# Altium PCB CCZynq.PcbDoc (part 4 of 5)
Units mil, origin at the board's own origin, x right, y up, seen from the top; angles counter-clockwise.
Board outline 3895 x 3895 mil, 4 copper layers (Top Layer, GND, PWR, Bottom Layer), stack 23.756 mil thick; 247 components, 195 nets, 1181 pads, 779 vias.
Unrouted connection lines stored in the file: 8.
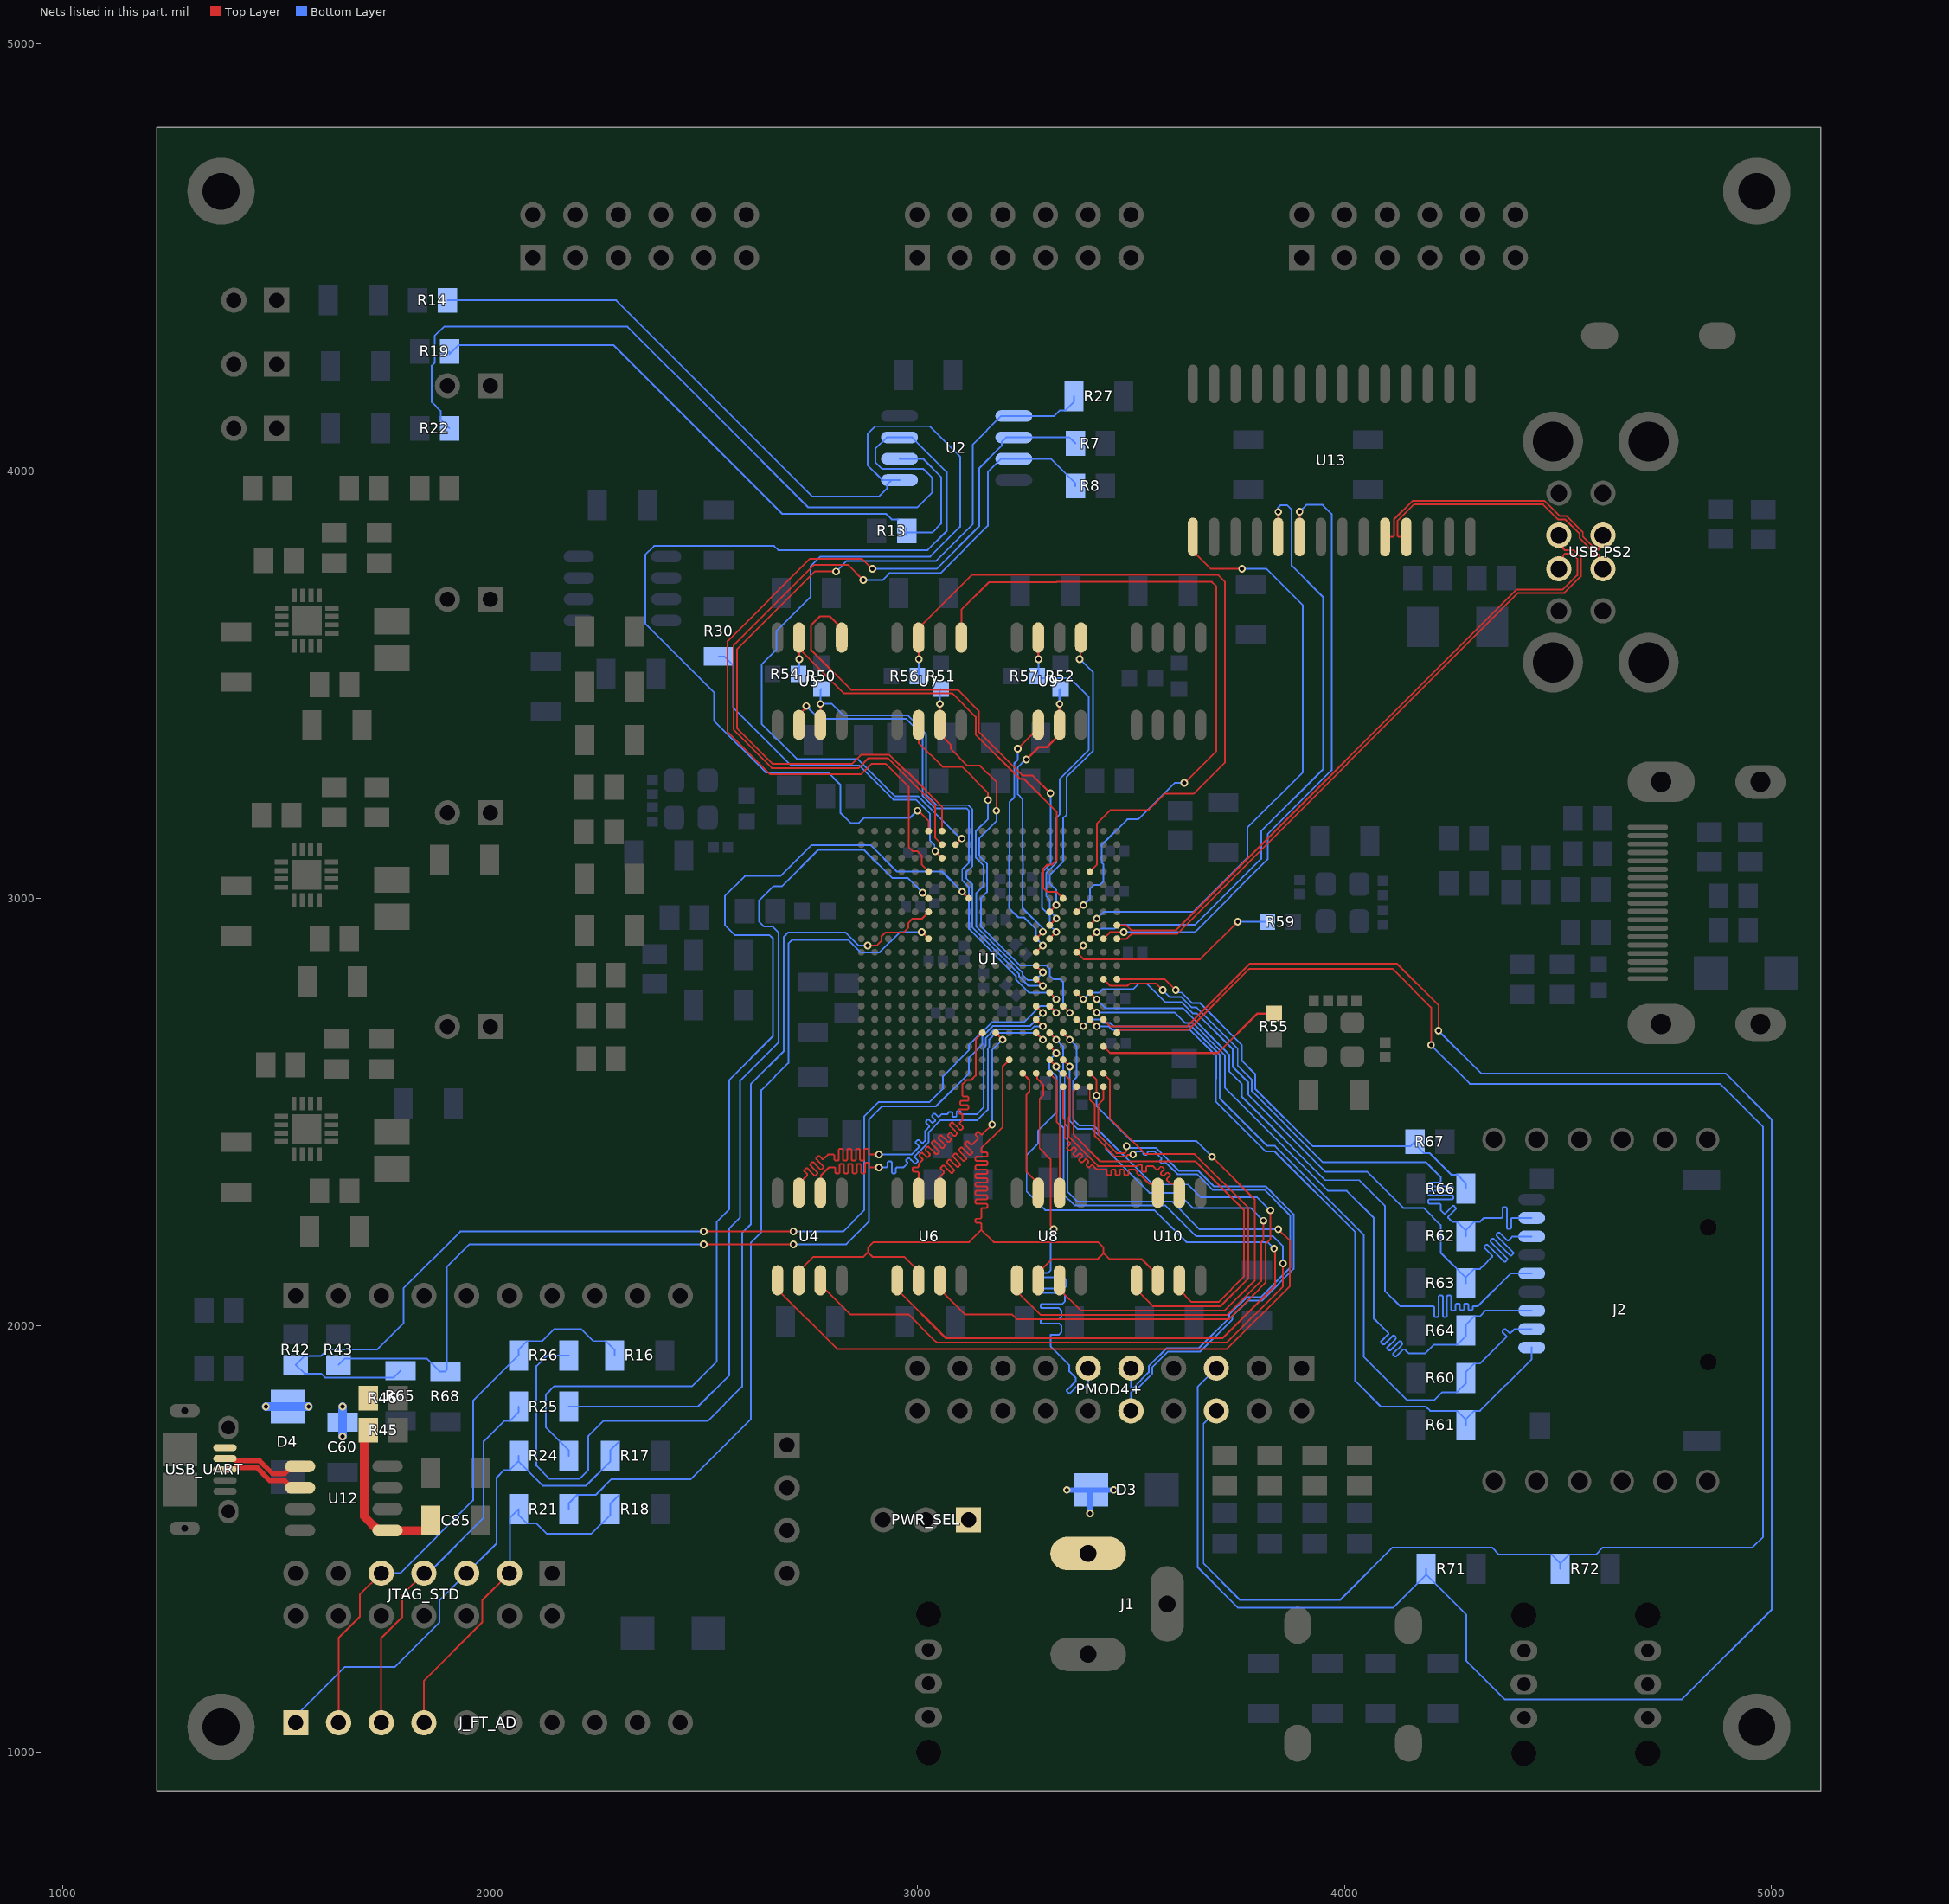
[diagram p6: the nets of this part, all layers, seen from the top]

## Via types
v1: diameter 17.72, hole 10, Top Layer to Bottom Layer, tented both sides, 747 vias
v2: diameter 23.62, hole 15.75, Top Layer to Bottom Layer, tented both sides, 32 vias

## Nets (pads, with @x,y where several pads share a name; then routed paths per layer and width w, separated by ;. In a path a pad name is that pad's centre, name@x,y a point inside that pad or via, vN(x,y) a via of type N, cw(c..) or ccw(c..) an arc to the next point about the centre after c; other vN are vias at no path point) (continued)
Q3_P: PMOD4+.11 U1.W14 | length 1357.8
  Top Layer w4: U1.W14@3278.24,2590.28 3280.53,2587.99 3280.53,2577.71 3294.73,2563.52 3294.73,2538.89 3286.24,2530.4 3286.24,2414.59 3311.78,2389.04 3311.78,2234.2 3319.15,2226.84 v1(3319.15,2225)
  Bottom Layer w4: v1(3319.15,2225) 3319.15,2223.16 3311.78,2215.8 3311.78,2128.48 3305.84,2122.54 3276.22,2122.54 3274.97,2121.28 3274.97,2113.79 3276.22,2112.54 3342.66,2112.54 3348.6,2106.59 3348.6,2092.48 3342.66,2086.54 3276.22,2086.54 3274.97,2085.28 3274.97,2077.79 3276.22,2076.54 3339.83,2076.54 3345.77,2070.59 3345.77,2056.48 3339.83,2050.54 3290.41,2050.54 3289.15,2049.28 3289.15,2041.79 3290.41,2040.54 3331.68,2040.54 3337.62,2034.59 3337.62,2020.48 3331.68,2014.54 3290.41,2014.54 3289.15,2013.28 3289.15,2005.79 3290.41,2004.54 3331.68,2004.54 3337.62,1998.59 3337.62,1984.48 3331.68,1978.54 3313.04,1978.54 3311.78,1977.28 3311.78,1951.19 3355.89,1907.09 3355.89,1892.45 3370.81,1877.53 3370.81,1869.13 3349.86,1848.19 3349.86,1846.41 3355.16,1841.12 3356.94,1841.12 3377.88,1862.06 3386.28,1862.06 3394.34,1854 3397.66,1854 3400,1856.34 PMOD4+.11@3400,1900
Q4_N: PMOD4+.10 U1.Y19 | length 1357.5
  Top Layer w4: U1.Y19@3435.72,2558.79 3435.72,2529.18 3423.5,2516.96 3423.5,2446.45 3466.13,2403.82 3485.82,2403.82 3489.66,2407.65 3489.66,2419.33 v1(3489.87,2419.55)
  Bottom Layer w4: v1(3489.87,2419.55) 3493.58,2419.55 3494.04,2420 3498.17,2415.86 3558.38,2415.86 3612.34,2361.9 3658.02,2361.9 3694.48,2325.44 3815.87,2325.44 3854.65,2286.66 3881.03,2260.28 3881.03,2132.48 3806.68,2058.13 3774.21,2058.13 3737.79,2021.72 3737.79,2014.05 3662.44,1938.69 3587.03,1938.69 3549.86,1901.52 3549.86,1886.89 3508.97,1846 3502.34,1846 3500,1843.66 PMOD4+.10@3500,1800
Q4_P: PMOD4+.9 U1.Y18 | length 1356.8
  Top Layer w4: U1.Y18@3404.22,2558.79 3403.68,2558.25 3403.68,2528.64 3415.5,2516.82 3415.5,2443.13 3462.81,2395.82 3489.14,2395.82 3492.65,2399.33 3504.33,2399.33 v1(3505,2400)
  Bottom Layer w4: PMOD4+.9@3500,1900 3500,1856.34 3502.34,1854 3505.66,1854 3541.86,1890.2 3541.86,1904.84 3583.72,1946.69 3659.13,1946.69 3729.79,2017.36 3729.79,2025.03 3770.9,2066.13 3803.37,2066.13 3873.03,2135.79 3873.03,2256.97 3812.56,2317.44 3691.17,2317.44 3654.71,2353.9 3609.03,2353.9 3593.97,2368.97 3581.23,2381.7 3578.4,2381.7 3575.54,2378.84 3572.71,2378.84 3568.47,2383.08 3568.47,2385.91 3571.33,2388.77 3571.33,2391.6 3565.68,2397.26 3558.61,2404.33 3555.07,2407.86 3549.2,2407.86 3541.2,2407.86 3539.2,2405.86 3539.2,2401.81 3537.2,2399.81 3531.2,2399.81 3529.2,2401.81 3529.2,2405.86 3527.2,2407.86 3519.2,2407.86 3514.2,2407.86 3506.34,2400 v1(3505,2400)
REG5V: D3.2 J1.1 PWR_SEL.1 | length 166.3
  Bottom Layer w12: v1(3350,1615) D3.2@3407.32,1615 ; v1(3404.22,1560) 3404.22,1611.9 D3.2@3407.32,1615 ; v1(3460,1615) D3.2@3407.32,1615
RST.0: R30.2 U1.C7 | length 820.8
  Top Layer w4: v1(3042.02,3109.97) U1.C7@3057.76,3094.22
  Bottom Layer w4: R30.2@2535,3566.34 2548.19,3566.34 2568.43,3546.09 2568.43,3446.57 2704.16,3310.84 2864.16,3310.84 2943.94,3231.06 2996.38,3231.06 3030,3197.43 3030,3135 3040.17,3124.83 3040.17,3111.81 v1(3042.02,3109.97)
SCK_B1: U1.V12 U4.6 U6.6 U8.6 U10.6 | length 2100.4
  Top Layer w4: U4.6@2723,2105.64 2723,2127.29 2755.71,2160 2873.16,2160 2884.54,2171.37 ; U6.6@3003,2105.64 3003,2127.29 2970.29,2160 2895.91,2160 2884.54,2171.37 ; U1.V12@3215.24,2621.2 U1.V12@3215.24,2621.78 3200,2606.54 3200,2465 3150,2415 3150,2405 3162,2405 3164,2403 3164,2397 3162,2395 3150,2395 3138,2395 3136,2393 3136,2387 3138,2385 3150,2385 3162,2385 3164,2383 3164,2377 3162,2375 3150,2375 3138,2375 3136,2373 3136,2367 3138,2365 3150,2365 3162,2365 3164,2363 3164,2357 3162,2355 3150,2355 3138,2355 3136,2353 3136,2347 3138,2345 3150,2345 3162,2345 3164,2343 3164,2337 3162,2335 3150,2335 3138,2335 3136,2333 3136,2327 3138,2325 3150,2325 3162,2325 3164,2323 3164,2317 3162,2315 3150,2315 3138,2315 3136,2313 3136,2307 3138,2305 3150,2305 3162,2305 3164,2303 3164,2297 3162,2295 3150,2295 3138,2295 3136,2293 3136,2287 3138,2285 3150,2285 3162,2285 3164,2283 3164,2277 3162,2275 3152,2275 3150,2273 3150,2265 3150,2260 3150,2252 3148,2250 3138,2250 3136,2248 3136,2242 3138,2240 3148,2240 3150,2238 3150,2235 3150,2223.58 ; U8.6@3283,2105.64 3283,2123 3315,2155 3421.43,2155 3435.72,2169.28 ; U10.6@3563,2105.64 3563,2117.71 3525.71,2155 3450,2155 3435.72,2169.28 ; 2884.54,2171.37 2884.54,2182.03 2897.51,2195 3121.42,2195 3150,2223.58 ; 3150,2223.58 3178.58,2195 3422.97,2195 3435.72,2182.25 3435.72,2169.28
SD_CMD: J2.3 R64.1 U1.P18 | length 1788.1
  Top Layer w4: U1.P18@3404.22,2747.76 3404.34,2747.76 3419.85,2732.25 v1(3419.97,2732.25)
  Bottom Layer w4: v1(3419.97,2732.25) 3420.08,2732.13 3603.15,2732.13 3609.65,2725.62 3626.87,2708.4 3644.44,2708.4 3701.42,2651.42 3720,2632.85 3720,2556.35 3961.35,2315 4005.32,2315 4068.44,2251.88 4068.44,2016.56 4082.5,2002.5 4102.62,1982.38 4102.62,1979.55 4085.69,1962.61 4085.69,1959.79 4089.93,1955.54 4092.76,1955.54 4111.11,1973.89 4113.54,1976.32 4116.36,1976.32 4120.61,1972.07 4120.61,1969.25 4118.18,1966.82 4099.83,1948.47 4099.83,1945.64 4104.08,1941.4 4106.9,1941.4 4125.25,1959.75 4128.57,1963.07 4131.4,1963.07 4135.64,1958.82 4135.64,1955.99 4132.32,1952.68 4113.97,1934.33 4113.97,1931.5 4118.22,1927.26 4121.05,1927.26 4137.98,1944.19 4140.81,1944.19 4146.46,1938.54 4150,1935 4154.71,1935 4164.71,1935 4169.71,1935 4189.42,1935 4209,1954.58 4263.42,1954.58 4283.66,1974.83 R64.1@4283.66,1988.02 4283.66,2001.21 4303.91,2021.45 4317.1,2021.45 4330.65,2035 J2.3@4438.31,2035
SD_DAT0: J2.7 R63.1 U1.N17 | length 1788.1
  Top Layer w4: U1.N17@3372.72,2779.26 v1(3388.47,2763.51)
  Bottom Layer w4: v1(3388.47,2763.51) 3404.34,2779.38 3426.54,2779.38 3434.4,2787.24 3505.69,2787.24 3518.55,2800.1 3536.99,2800.1 3580.15,2756.94 3618.53,2756.94 3624.47,2751 ; 3624.48,2751 3644.55,2730.92 3654.08,2730.92 3738.54,2646.46 3738.54,2604.93 3775,2568.47 3775,2540 3955,2360 4052.49,2360 4137.49,2275 4185,2275 4225,2235 4225,2170.53 R63.1@4283.66,2111.87 ; R63.1@4283.66,2098.68 R63.1@4283.66,2111.87 ; J2.7@4438.31,2208.23 4393.21,2208.23 4389.68,2204.69 4384.02,2199.04 4381.19,2199.04 4362.95,2217.28 4360.12,2217.28 4355.88,2213.04 4355.88,2210.21 4375.53,2190.55 4395.19,2170.89 4395.19,2168.07 4390.95,2163.82 4388.12,2163.82 4368.46,2183.48 4348.81,2203.14 4345.98,2203.14 4341.74,2198.89 4341.74,2196.06 4361.39,2176.41 4381.05,2156.75 4381.05,2153.92 4376.81,2149.68 4373.98,2149.68 4354.32,2169.34 4334.66,2188.99 4331.84,2188.99 4327.59,2184.75 4327.59,2181.92 4345.84,2163.68 4345.84,2160.85 4325,2140.01 4317.1,2132.11 4303.91,2132.11 R63.1@4283.66,2111.87
SD_DAT1: J2.8 R62.1 U1.M19 | length 1788.1
  Top Layer w4: U1.M19@3435.72,2810.76 3451.22,2795.25 3492.18,2795.25 3497.03,2800.1 3559.43,2800.1 v1(3574.53,2785)
  Bottom Layer w4: v1(3574.53,2785) 3590.39,2769.14 3617.65,2769.14 3641.79,2745 3652.64,2745 3750,2647.64 3750,2608.2 3783,2575.2 3783,2548.27 3948.77,2382.5 4190,2382.5 4218.75,2353.75 4221.46,2351.04 4225,2347.5 4225,2345 4225,2337 4223,2335 4197.59,2335 4195.59,2333 4195.59,2327 4197.59,2325 4225,2325 4252.41,2325 4254.41,2323 4254.41,2317 4252.41,2315 4225,2315 4197.59,2315 4195.59,2313 4195.59,2307 4197.59,2305 4225,2305 4252.41,2305 4254.41,2303 4254.41,2297 4252.41,2295 4225,2295 4197.59,2295 4195.59,2293 4195.59,2287 4197.59,2285 4223,2285 4225,2283 4225,2275 4225,2270 4227.48,2267.52 4233.14,2261.86 4235.96,2261.86 4253.68,2279.58 4256.51,2279.58 4260.75,2275.33 4260.75,2272.51 4243.04,2254.79 4243.04,2251.96 4248.69,2246.31 4252.23,2242.77 4263.42,2242.77 R62.1@4283.66,2222.53 ; R62.1@4283.66,2209.34 R62.1@4283.66,2222.53 ; J2.8@4438.31,2251.54 4395,2251.54 4392,2251.54 4390,2249.54 4390,2228.05 4388,2226.05 4382,2226.05 4380,2228.05 4380,2251.54 4380,2275.02 4378,2277.02 4372,2277.02 4370,2275.02 4370,2253.54 4368,2251.54 4325.86,2251.54 4317.1,2242.77 4303.91,2242.77 R62.1@4283.66,2222.53
SD_DAT2: J2.1 R61.1 U1.R18 | length 1788.1
  Top Layer w4: U1.R18@3404.22,2716.27 v1(3419.97,2700.52)
  Bottom Layer w4: v1(3419.97,2700.52) 3420.61,2699.88 3448.39,2699.88 3455.86,2692.4 3637.82,2692.4 3700,2630.22 3699.12,2523.74 3815,2407.86 3835.58,2407.86 4025,2218.44 4025,1870 4085,1810 4190.62,1810 4200.49,1800.13 4263.42,1800.13 R61.1@4283.66,1779.88 ; R61.1@4283.66,1766.69 R61.1@4283.66,1779.88 ; J2.1@4438.31,1948.39 4438.31,1921.34 4317.1,1800.13 4303.91,1800.13 R61.1@4283.66,1779.88
SD_DAT3: J2.2 R60.1 U1.R17 | length 1788.1
  Top Layer w4: U1.R17@3372.72,2716.27 3372.84,2716.27 3388.36,2700.75 v1(3388.47,2700.75)
  Bottom Layer w4: v1(3388.47,2700.75) 3388.7,2700.75 3404.34,2716.38 3426.54,2716.38 3435.04,2707.88 3451.7,2707.88 3459.18,2700.4 3641.13,2700.4 3708,2633.54 3708,2531.6 3819.4,2420.2 3837.3,2420.2 4045,2212.5 4045,1927.09 4075.28,1896.8 ; 4075.81,1896.28 4075.28,1896.8 ; J2.2@4438.31,1991.69 4398,1991.69 4394.46,1988.16 4388.81,1982.5 4385.98,1982.5 4377.16,1991.31 4374.34,1991.31 4370.09,1987.07 4370.09,1984.24 4378.91,1975.43 4378.91,1972.6 4345,1938.69 4317.1,1910.79 4303.91,1910.79 4283.66,1890.54 R60.1@4283.66,1877.36 4283.66,1864.17 4263.42,1843.92 4228.67,1843.92 4209.75,1825 4147.01,1825 4075.28,1896.73 4075.28,1896.8
SD_NCD: R66.1 R67.2 U1.M20 | length 1081.8
  Top Layer w4: U1.M20@3467.21,2810.76 3579.24,2810.76 v1(3605,2785)
  Bottom Layer w4: v1(3605,2785) 3610.43,2779.57 3618.53,2779.57 3643.1,2755 3661.38,2755 3760,2656.38 3760,2619.2 3791,2588.2 3791,2554 3925.86,2419.14 4154.1,2419.14 R67.2@4164.96,2430 4164.96,2423.9 4185.3,2403.56 4199.09,2403.56 4249.72,2352.93 4263.92,2352.93 4283.66,2333.19 R66.1@4283.66,2320
SD_SCK: J2.5 U1.N18 | length 1788.1
  Top Layer w4: U1.N18@3404.22,2779.26 v1(3419.97,2763.51)
  Bottom Layer w4: v1(3419.97,2763.51) 3440.48,2743 3621.16,2743 3724.15,2640.01 3730,2634.16 3730,2594.87 3760,2564.87 3760,2535 3954.88,2340.12 4034.63,2340.12 4095,2279.75 4095,2080.21 4130.21,2045 4208,2045 4210,2043 4210,2021.99 4212,2019.99 4218,2019.99 4220,2021.99 4220,2045 4220,2068.01 4222,2070.01 4228,2070.01 4230,2068.01 4230,2045 4230,2021.99 4232,2019.99 4238,2019.99 4240,2021.99 4240,2045 4240,2068.01 4242,2070.01 4248,2070.01 4250,2068.01 4250,2045 4250,2036.55 4252,2034.55 4258,2034.55 4260,2036.55 4260,2045 4260,2049.25 4262,2051.25 4268,2051.25 4270,2049.25 4270,2045 4270,2037.44 4272,2035.44 4278,2035.44 4280,2037.44 4280,2045 4280,2049.25 4282,2051.25 4288,2051.25 4290,2049.25 4290,2045 4290,2037.44 4292,2035.44 4298,2035.44 4300,2037.44 4300,2043 4302,2045 4305,2045 4312.5,2045 4389.11,2121.61 J2.5@4438.31,2121.61
SI_B1C1: U1.T15 U4.5 | length 2402.3
  Top Layer w4: U4.5@2673,2105.64 2673,2083.98 2811.98,1945 2860,1945 2945,1945 3725,1945 3872.09,2092.09 3872.09,2197.91 v1(3845,2225) ; U1.T15@3309.73,2684.77 v1(3325.48,2669.02)
  Bottom Layer w4: v1(3325.48,2669.02) 3341.34,2653.16 3341.34,2630.96 3341.11,2630.73 3341.11,2597.77 3345,2593.88 3345,2471.79 3352,2464.79 3352,2313 3374.76,2290.24 3596.08,2290.24 3661.32,2225 v1(3845,2225)
SI_B1C2: U1.U15 U6.5 | length 2154
  Top Layer w4: U6.5@2953,2105.64 2953,2083.98 3066.98,1970 ; 3105,1970 3066.98,1970 ; U1.U15@3309.73,2653.28 v1(3325.48,2637.53) ; v1(3835,2180) 3837.62,2177.38 3837.62,2092.62 3715,1970 3615,1970 3066.98,1970
  Bottom Layer w4: v1(3325.48,2637.53) 3309.39,2621.43 3309.39,2599.46 3325.86,2582.98 3325.86,2498.91 3282.64,2455.69 3282.64,2425.38 3255.87,2398.61 3255.87,2313.4 3299.27,2270 3555,2270 3630,2195 3820,2195 v1(3835,2180)
SI_B1C3: U1.V16 U8.5 | length 1504.9
  Top Layer w4: U8.5@3233,2105.64 3233,2080.27 3288.27,2025 3726.02,2025 3805,2103.98 3805,2195 3810,2200 v1(3810,2245) ; U1.V16@3341.23,2621.78 v1(3356.98,2606.03)
  Bottom Layer w4: v1(3356.98,2606.03) 3356.98,2478.79 3375.76,2460 3410,2460 3441.17,2428.83 3441.17,2412.64 3543.16,2310.66 3609.34,2310.66 3645,2275 3780,2275 v1(3810,2245)
SI_B1C4: U1.W19 U10.5 | length 1014.5
  Top Layer w4: U1.W19@3435.72,2590.28 3450.72,2575.28 3450.72,2485 3534.78,2400.94 3649.06,2400.94 3775,2275 3775,2110 3710,2045 3551.98,2045 3513,2083.98 U10.5@3513,2105.64
SI_B2C1: U1.J15 U5.5 | length 1268.8
  Top Layer w4: U5.5@2823,3610.36 2823,3632.02 2795.02,3660 2771.59,3660 2751.3,3639.71 2751.3,3581.02 2844.31,3488 3094.5,3488 3144.5,3438 3144.5,3389.48 3246.73,3287.25 3270.36,3287.25 v1(3311.78,3245.83) ; U1.J15@3309.73,2905.24 3309.73,2905.36 3325.48,2921.11 v1(3325.48,2921.22)
  Bottom Layer w4: v1(3311.78,3245.83) 3311.78,3080.49 3292.15,3060.85 3292.15,2976.98 3309.85,2959.29 3309.85,2936.86 v1(3325.48,2921.22)
SI_B2C2: U1.G17 U7.5 | length 1631.5
  Top Layer w4: U7.5@3103,3610.36 3103,3675.34 3167.66,3740 3325.89,3740 3326.46,3740.57 3689.43,3740.57 3700,3730 3700,3344.96 v1(3625,3269.96) ; U1.G17@3372.72,2968.24 3372.84,2968.24 3388.59,2983.98 v1(3388.93,2983.98)
  Bottom Layer w4: v1(3388.93,2983.98) 3404.34,2999.39 3404.34,3008.91 3404.34,3022.67 3412.66,3031 3413.63,3031 3427.09,3031 3435.83,3039.74 3435.83,3079.2 3431.54,3083.49 3431.54,3125.11 3491.43,3185 3517.43,3185 3602.39,3269.96 v1(3625,3269.96)
SI_B2C3: U1.G15 U9.5 | length 711.8
  Top Layer w4: U1.G15@3309.73,2968.24 v1(3325.48,2983.98) ; v1(3380,3560) 3381.5,3561.5 3381.5,3608.86 U9.5@3383,3610.36
  Bottom Layer w4: v1(3325.48,2983.98) 3325.48,3019.18 3309.62,3035.04 3309.62,3053.55 3341.11,3085.04 3341.11,3187.19 3350,3196.07 3350,3284.45 3411.56,3346 3411.56,3528.44 v1(3380,3560)
SIO2_B1C1: U1.R14 U4.3 | length 1301.7
  Top Layer w4: U4.3@2723,2310.36 2723,2332.02 2740,2349.02 2742.12,2351.14 2742.12,2353.97 2735.05,2361.04 2735.05,2363.87 2739.29,2368.11 2742.12,2368.11 2750.61,2359.62 2759.09,2351.14 2761.92,2351.14 2766.16,2355.38 2766.16,2358.21 2757.68,2366.69 2749.19,2375.18 2749.19,2378.01 2753.43,2382.25 2756.26,2382.25 2764.75,2373.76 2773.23,2365.28 2776.06,2365.28 2780.31,2369.52 2780.31,2372.35 2771.82,2380.84 2763.33,2389.32 2763.33,2392.15 2767.58,2396.39 2770.41,2396.39 2777.48,2389.32 2780.31,2389.32 2785.96,2394.98 2790.98,2400 2795.98,2400 2803.98,2400 2805.98,2398 2805.98,2388 2807.98,2386 2813.98,2386 2815.98,2388 2815.98,2400 2815.98,2412 2817.98,2414 2823.98,2414 2825.98,2412 2825.98,2400 2825.98,2388 2827.98,2386 2833.98,2386 2835.98,2388 2835.98,2400 2835.98,2412 2837.98,2414 2843.98,2414 2845.98,2412 2845.98,2400 2845.98,2388 2847.98,2386 2853.98,2386 2855.98,2388 2855.98,2400 2855.98,2412 2857.98,2414 2863.98,2414 2865.98,2412 2865.98,2400 2865.98,2388 2867.98,2386 2873.98,2386 2875.98,2388 2875.98,2400 2875.98,2412 2877.98,2414 2883.98,2414 2885.98,2412 2885.98,2402 2887.98,2400 2890,2400 v1(2910,2400) ; U1.R14@3278.24,2716.27 v1(3293.98,2700.52)
  Bottom Layer w4: v1(2910,2400) 2986.25,2400 3001.25,2415 3003.37,2417.12 3003.37,2419.95 2996.3,2427.02 2996.3,2429.85 3000.54,2434.09 3003.37,2434.09 3010.44,2427.02 3013.27,2427.02 3018.07,2431.83 3018.07,2455.38 3021.61,2458.91 3027.27,2464.57 3027.27,2467.4 3020.2,2474.47 3020.2,2477.3 3024.44,2481.54 3027.27,2481.54 3034.34,2474.47 3037.17,2474.47 3041.41,2478.71 3041.41,2481.54 3034.34,2488.61 3034.34,2491.44 3038.58,2495.68 3041.41,2495.68 3048.48,2488.61 3051.31,2488.61 3056.83,2494.13 3061.83,2494.13 3069.83,2494.13 3071.83,2496.13 3071.83,2498 3073.83,2500 3079.83,2500 3081.83,2498 3081.83,2494.13 3081.83,2490.41 3083.83,2488.41 3089.83,2488.41 3091.83,2490.41 3091.83,2494.13 3091.83,2499.82 3093.83,2501.82 3099.83,2501.82 3101.83,2499.82 3101.83,2496.13 3103.83,2494.13 3110,2494.13 3139.13,2494.13 3155,2510 3155,2649.41 3160.37,2654.77 3160.37,2673.05 3180.44,2693.12 3266.86,2693.12 3274.26,2700.52 v1(3293.98,2700.52)
SIO2_B1C2: U1.T10 U6.3 | length 791.8
  Top Layer w4: U6.3@3003,2310.36 3003,2355 3003,2358 3001,2360 2991,2360 2989,2362 2989,2368 2991,2370 3001,2370 3003,2372 3003,2378 3006.54,2381.54 3012.19,2387.19 3012.19,2390.02 3005.12,2397.09 3005.12,2399.92 3009.36,2404.16 3012.19,2404.16 3020.68,2395.68 3022.25,2394.1 3025.08,2394.1 3029.33,2398.34 3029.33,2401.17 3027.75,2402.75 3019.26,2411.23 3019.26,2414.06 3023.51,2418.31 3026.33,2418.31 3034.82,2409.82 3043.31,2401.33 3046.13,2401.33 3050.38,2405.58 3050.38,2408.41 3041.89,2416.89 3033.41,2425.38 3033.41,2428.2 3037.65,2432.45 3040.48,2432.45 3048.96,2423.96 3057.45,2415.48 3060.28,2415.48 3064.52,2419.72 3064.52,2422.55 3056.03,2431.03 3049.66,2437.41 3049.66,2440.24 3053.9,2444.48 3056.73,2444.48 3063.1,2438.1 3071.59,2429.62 3074.42,2429.62 3078.66,2433.86 3078.66,2436.69 3071.59,2443.76 3071.59,2446.59 3075.83,2450.83 3078.66,2450.83 3085.73,2443.76 3088.56,2443.76 3092.8,2448 3092.8,2450.83 3084.32,2459.32 3075.83,2467.8 3075.83,2470.63 3080.07,2474.87 3082.9,2474.87 3091.39,2466.39 3099.87,2457.9 3102.7,2457.9 3106.94,2462.15 3106.94,2464.97 3099.87,2472.05 3099.87,2474.87 3105.53,2480.53 3105.75,2480.75 3105.75,2485.75 3105.75,2493.75 3103.75,2495.75 3098.18,2495.75 3096.18,2497.75 3096.18,2503.75 3098.18,2505.75 3105.75,2505.75 3117.75,2505.75 3119.75,2507.75 3119.75,2513.75 3117.75,2515.75 3105.75,2515.75 3102.62,2515.75 3100.62,2517.75 3100.62,2523.75 3102.62,2525.75 3105.75,2525.75 3117.75,2525.75 3119.75,2527.75 3119.75,2533.75 3117.75,2535.75 3107.75,2535.75 3105.75,2537.75 3105.75,2541.57 3105.75,2541.68 ; 3105.86,2541.57 3105.75,2541.68 ; U1.T10@3152.25,2684.77 3136.5,2669.02 3136.5,2584.81 3126.23,2574.54 3115.28,2574.54 3105.75,2565 3105.75,2541.68
SIO2_B1C3: U1.W13 U8.3 | length 301.1
  Top Layer w4: U1.W13@3246.74,2590.28 3262.49,2574.54 3262.49,2547.49 3255,2540 3255,2360.02 3283,2332.02 U8.3@3283,2310.36
SIO2_B1C4: U1.Y16 U10.3 | length 556.1
  Top Layer w4: U1.Y16@3341.23,2558.79 3341.23,2484.52 3345,2480.75 3345,2439.94 3357.47,2427.47 3358,2426.93 3358,2424.11 3350.93,2417.03 3350.93,2414.21 3355.18,2409.96 3358.01,2409.96 3365.08,2417.03 3367.9,2417.03 3372.15,2412.79 3372.15,2409.96 3365.08,2402.89 3365.08,2400.06 3369.32,2395.82 3372.15,2395.82 3379.22,2402.89 3382.05,2402.89 3386.29,2398.65 3386.29,2395.82 3379.22,2388.75 3379.22,2385.92 3383.46,2381.68 3386.29,2381.68 3393.36,2388.75 3396.19,2388.75 3400.43,2384.51 3400.43,2381.68 3395.94,2377.19 3395.94,2374.36 3400.18,2370.12 3403.01,2370.12 3407.5,2374.61 3410.33,2374.61 3415.99,2368.95 3419.52,2365.42 3423.99,2365.42 3433.99,2365.42 3441.99,2365.42 3443.99,2363.42 3443.99,2353.42 3445.99,2351.42 3451.99,2351.42 3453.99,2353.42 3453.99,2363.42 3455.99,2365.42 3461.99,2365.42 3463.99,2363.42 3463.99,2353.42 3465.99,2351.42 3471.99,2351.42 3473.99,2353.42 3473.99,2363.42 3475.99,2365.42 3481.99,2365.42 3483.99,2363.42 3483.99,2353.42 3485.99,2351.42 3491.99,2351.42 3493.99,2353.42 3493.99,2363.42 3495.99,2365.42 3503.99,2365.42 3508.99,2365.42 3514.09,2360.32 3514.09,2359.17 3514.09,2356.35 3518.33,2352.1 3521.16,2352.1 3522.31,2352.1 3528.8,2345.61 3535.87,2338.54 3539.41,2335 3543.22,2331.19 3552.12,2331.19 3563,2320.31 U10.3@3563,2310.36
SIO2_B2C1: R50.1 U1.M14 U5.3 | length 1161.1
  Top Layer w4: U5.3@2773,3405.64 v1(2773,3455) ; U1.M14@3278.24,2810.76 v1(3293.98,2795.01)
  Bottom Layer w4: R50.1@2775,3489.69 2773,3487.69 v1(2773,3455) 2799.86,3455 2826.58,3428.28 2976.96,3428.28 3020.2,3385.04 3020.2,3243.16 3045.36,3218 3119.19,3218 3128.87,3208.31 3128.87,3075.68 3115,3061.81 3115,3046.05 3128.87,3032.17 3128.87,2931.52 3238.62,2821.76 3238.62,2816.85 3260.47,2795.01 v1(3293.98,2795.01)
SIO2_B2C2: R51.1 U1.P16 U7.3 | length 1013.8
  Top Layer w4: v1(3053,3455) U7.3@3053,3405.64 3053,3383.98 3078.23,3358.75 3078.23,3349.86 3117.53,3310.56 3146.88,3310.56 3185,3272.43 v1(3185,3205) ; U1.P16@3341.23,2747.76 v1(3356.98,2732.02)
  Bottom Layer w4: v1(3053,3455) 3053,3487.69 R51.1@3055,3489.69 ; v1(3185,3205) 3185,3180.48 3144.87,3140.35 3144.87,3099.11 3163,3080.98 3163,3014.36 3149.14,3000.5 3149.14,2933.88 3240.01,2843 3301.39,2843 3309.85,2834.54 3309.85,2819.47 3318.68,2810.64 3334.45,2810.64 3341.11,2803.98 3341.11,2747.88 v1(3356.98,2732.02)
SIO2_B2C3: R52.1 U1.J14 U9.3 | length 668.9
  Top Layer w4: U1.J14@3278.24,2905.24 3293.98,2920.99 v1(3293.98,2921.57)
  Top Layer w5: v1(3255,3325) 3283.55,3353.55 3302.57,3353.55 3333,3383.98 U9.3@3333,3405.64 v1(3333,3455)
  Bottom Layer w4: v1(3255,3325) 3253.36,3325 3235.2,3306.84 3235.2,3243.16 3245.93,3232.43 3245.93,3085.96 3246.86,3085.04 3246.86,3056.94 3246.68,3056.77 3246.68,2977.93 3246.86,2977.76 3246.86,2976.5 3293.98,2929.37 v1(3293.98,2921.57)
  Bottom Layer w5: v1(3333,3455) 3333,3487.69 R52.1@3335,3489.69
SIO3_B1C1: U1.V15 U4.7 | length 2190.5
  Top Layer w4: U4.7@2773,2105.64 2773,2095.69 2793.69,2075 2842.83,2025.86 2979.14,2025.86 3037.5,1967.5 3045,1960 3725,1960 3856.23,2091.23 v1(3856.23,2145) ; U1.V15@3309.73,2621.78 3309.73,2621.66 3325.25,2606.15 v1(3325.25,2606.03)
  Bottom Layer w4: v1(3325.25,2606.03) 3325.25,2602.32 3333.86,2593.71 3333.86,2471.61 3342.32,2463.15 3342.32,2306.58 3367.9,2281 3580.31,2281 3651.97,2209.34 3831.98,2209.34 3856.23,2185.09 v1(3856.23,2145)
SIO3_B1C2: U1.T16 U6.7 | length 1789.9
  Top Layer w4: U6.7@3053,2105.64 3053,2083.98 3111.12,2025.86 3221.7,2025.86 3232.56,2015 3255,2015 3730,2015 3785,2070 3815,2100 3815,2190 3826.23,2201.23 v1(3826.23,2269.25) ; U1.T16@3341.23,2684.77 v1(3356.98,2669.02)
  Bottom Layer w4: v1(3356.98,2669.02) 3373.07,2652.93 3373.07,2630.96 3372.84,2630.73 3372.84,2581.34 3370,2578.5 3370,2578.44 3365,2573.44 3365,2482.07 3379.07,2468 3413.31,2468 3551.31,2330 3633.66,2330 3663.66,2300 3795.48,2300 v1(3826.23,2269.25)
SIO3_B1C3: U1.W18 U8.7 | length 1240.5
  Top Layer w4: U8.7@3333,2083.98 3381.98,2035 3525,2035 3720,2035 3790,2105 3790,2295 3690.24,2394.76 v1(3690,2394.76) ; U1.W18@3404.22,2590.28 3419.55,2574.96 v1(3419.55,2538.27)
  Bottom Layer w4: v1(3419.55,2538.27) 3419.55,2513.21 3500.93,2431.83 3652.94,2431.83 v1(3690,2394.76)
SIO3_B1C4: U1.Y17 U10.7 | length 953
  Top Layer w4: U1.Y17@3372.72,2558.79 3372.72,2555.54 3365.36,2548.18 3365.36,2447.21 3428.43,2384.14 3514.68,2384.14 3650.59,2384.14 3765,2269.73 3765,2115 3705,2055 3641.98,2055 3613,2083.98 U10.7@3613,2105.64
SIO3_B2C1: R54.1 U1.F16 U5.7 | length 1151.7
  Top Layer w4: v1(2723.66,3560) 2723.33,3560.33 U5.7@2723.33,3584.67 ; U1.F16@3341.23,2999.85 U1.F16@3341.23,2999.73 3326.22,3014.74 3305,3014.74 3294.73,3025.01 3294.73,3068.94 3305,3079.22 3315.95,3079.22 3325.86,3089.13 3325.86,3202.92 3249.54,3279.25 3240.75,3279.25 3136.5,3383.5 3136.5,3425 3081.5,3480 2828,3480 U5.7@2723.33,3584.67 ; U5.7@2723.33,3584.67 2723.33,3610.03 U5.7@2723,3610.36 2723,3585 U5.7@2723.33,3584.67
  Bottom Layer w4: R54.1@2721.34,3525 2723.66,3527.32 v1(2723.66,3560)
SIO3_B2C2: R56.1 U1.D18 U7.7 | length 1790
  Top Layer w4: v1(3003.66,3560) 3003.33,3560.33 3003.33,3610.03 U7.7@3003,3610.36 3003,3632.02 3127.7,3756.72 3704.37,3756.72 3720,3741.09 3720,3317.5 3647.5,3245 3580,3245 3541.56,3206.56 3451.98,3206.56 3419.97,3174.54 3419.97,3078.47 U1.D18@3404.22,3062.72
  Bottom Layer w4: R56.1@3000.31,3520 3003.66,3523.35 v1(3003.66,3560)
SIO3_B2C3: R57.1 U1.H15 U9.7 | length 824.6
  Top Layer w4: U1.H15@3309.73,2936.74 3309.73,2936.86 3325.25,2952.37 3325.6,2952.37 v1(3325.71,2952.49)
  Top Layer w5: U9.7@3283,3610.36 3283,3560.66 v1(3283.66,3560)
  Bottom Layer w4: v1(3283.66,3560) 3283.66,3522.62 R57.1@3281.04,3520 3285.54,3515.5 3357.4,3515.5 3400.86,3472.03 3400.86,3346.62 3333,3278.76 3333,3196.09 3325,3188.09 3325,3082.39 3301.62,3059 3301.62,3005.16 3309.62,2997.16 3309.62,2977.41 3309.62,2970.83 3325.25,2955.2 3325.25,2952.95 v1(3325.71,2952.49)
SO_B1C1: U1.T14 U4.2 | length 1084.7
  Top Layer w4: U4.2@2773,2310.36 2774.85,2312.22 2774.85,2351.8 2793.06,2370 2798.06,2370 2806.06,2370 2808.06,2368 2808.06,2358 2810.06,2356 2816.06,2356 2818.06,2358 2818.06,2370 2818.06,2376.24 2820.06,2378.24 2826.06,2378.24 2828.06,2376.24 2828.06,2370 2828.06,2358 2830.06,2356 2836.06,2356 2838.06,2358 2838.06,2370 2838.06,2376.24 2840.06,2378.24 2846.06,2378.24 2848.06,2376.24 2848.06,2370 2848.06,2358 2850.06,2356 2856.06,2356 2858.06,2358 2858.06,2370 2858.06,2376.24 2860.06,2378.24 2866.06,2378.24 2868.06,2376.24 2868.06,2370 2868.06,2358 2870.06,2356 2876.06,2356 2878.06,2358 2878.06,2370 2878.06,2378.76 2880.06,2380.76 2886.06,2380.76 2888.06,2378.76 2888.06,2372 2890.06,2370 2895,2370 v1(2910,2370) ; U1.T14@3278.24,2684.77 v1(3293.98,2669.02)
  Bottom Layer w4: v1(2910,2370) 2925,2370 2928,2370 2930,2372 2930,2382 2932,2384 2938,2384 2940,2382 2940,2370 2940,2358 2942,2356 2948,2356 2950,2358 2950,2368 2952,2370 2960,2370 2967.56,2370 2971.1,2373.54 2976.75,2379.19 2976.75,2382.02 2973.84,2384.93 2973.84,2387.76 2978.09,2392 2980.91,2392 2985.24,2387.68 2993.72,2379.19 2996.55,2379.19 3000.79,2383.43 3000.79,2386.26 2993.72,2393.33 2993.72,2396.16 2999.38,2401.82 3002.56,2405 3026.95,2429.39 3026.95,2452.94 3054.42,2480.41 3140.41,2480.41 3165,2505 3165,2648.09 3168.37,2651.46 3168.37,2669.73 3183.75,2685.12 3277.89,2685.12 v1(3293.98,2669.02)
SO_B1C2: U1.T11 U6.2 | length 689.9
  Top Layer w4: U6.2@3053,2310.36 3053,2348 3060,2355 3062.12,2357.12 3062.12,2359.95 3055.05,2367.02 3055.05,2369.85 3059.29,2374.09 3062.12,2374.09 3070.61,2365.61 3079.09,2357.12 3081.92,2357.12 3086.16,2361.36 3086.16,2364.19 3077.68,2372.68 3069.19,2381.16 3069.19,2383.99 3073.43,2388.23 3076.26,2388.23 3084.75,2379.75 3093.23,2371.26 3096.06,2371.26 3100.31,2375.51 3100.31,2378.33 3091.82,2386.82 3083.33,2395.31 3083.33,2398.13 3087.58,2402.38 3090.41,2402.38 3098.89,2393.89 3107.38,2385.41 3110.2,2385.41 3114.45,2389.65 3114.45,2392.48 3105.96,2400.96 3097.48,2409.45 3097.48,2412.28 3101.72,2416.52 3104.55,2416.52 3113.03,2408.03 3121.52,2399.55 3124.35,2399.55 3128.59,2403.79 3128.59,2406.62 3120.1,2415.1 3111.62,2423.59 3111.62,2426.42 3115.86,2430.66 3118.69,2430.66 3125.76,2423.59 3128.59,2423.59 3133.05,2428.05 3136.59,2431.59 3142.24,2437.24 3142.24,2440.07 3136.51,2445.81 3136.51,2448.64 3140.75,2452.88 3143.58,2452.88 3149.32,2447.14 3152.14,2447.14 3154.03,2449.03 v1(3175,2470) ; U1.T11@3183.75,2684.77 3183.86,2684.77 3199.38,2669.25 v1(3199.5,2669.25)
  Bottom Layer w4: v1(3175,2470) 3175,2644.76 v1(3199.5,2669.25)
SO_B1C3: U1.W15 U8.2 | length 289.6
  Top Layer w4: U1.W15@3309.73,2590.28 3325.86,2574.15 3325.86,2476.62 3333,2469.48 U8.2@3333,2310.36
SO_B1C4: U1.W16 U10.2 | length 548.1
  Top Layer w4: U1.W16@3341.23,2590.28 3356.86,2574.65 3356.86,2489.53 3355,2487.67 3355,2441.25 3422.84,2373.42 3508.99,2373.42 3515.27,2373.42 3515.99,2374.14 3517.99,2376.14 3523.99,2376.14 3525.99,2374.14 3525.99,2373.42 3525.99,2361.42 3527.99,2359.42 3533.99,2359.42 3535.99,2361.42 3535.99,2371.42 3537.99,2373.42 3545.99,2373.42 3550.99,2373.42 3554.33,2370.08 3559.99,2364.42 3562.82,2364.42 3569.89,2371.49 3572.71,2371.49 3576.96,2367.25 3576.96,2364.42 3569.89,2357.35 3569.89,2354.52 3574.13,2350.28 3576.96,2350.28 3584.03,2357.35 3586.86,2357.35 3591.1,2353.11 3591.1,2350.28 3584.03,2343.21 3584.03,2340.38 3589.68,2334.72 3593.22,2331.19 3602.12,2331.19 3613,2320.31 U10.2@3613,2310.36
SO_B2C1: U1.N15 U5.2 | length 1233.1
  Top Layer w4: U5.2@2723,3405.64 2723,3430.15 2740,3447.15 v1(2740,3450) ; U1.N15@3309.73,2779.26 3309.73,2779.14 3325.25,2763.63 v1(3325.25,2763.51)
  Bottom Layer w4: v1(2740,3450) 2769.72,3420.28 2973.64,3420.28 3012.2,3381.72 3012.2,3239.85 3042.05,3210 3115.87,3210 3120.87,3205 3120.87,3083.54 3105.01,3067.68 3105.01,3041.62 3120.87,3025.76 3120.87,2928.2 3230.62,2818.45 3230.62,2809.61 3261.09,2779.14 ; 3287.41,2779.14 3261.09,2779.14 ; v1(3325.25,2763.51) 3309.62,2779.14 3261.09,2779.14
SO_B2C2: U1.L14 U7.2 | length 832.4
  Top Layer w4: U7.2@3003,3405.64 3003,3364.14 3059.14,3308 3104.57,3308 3165,3247.57 v1(3165,3230) ; U1.L14@3278.24,2842.25 v1(3293.98,2826.5)
  Bottom Layer w4: v1(3165,3230) 3165,3185 3136.87,3156.87 3136.87,3095.8 3155,3077.67 3155,3028.86 3138.27,3012.13 3138.27,2933.43 3246.62,2825.08 3246.62,2820.16 3258.69,2808.1 3275.58,2808.1 v1(3293.98,2826.5)
SO_B2C3: U1.K14 U9.2 | length 607.9
  Top Layer w4: v1(3235,3350) 3283,3398 U9.2@3283,3405.64 ; U1.K14@3278.24,2873.75 v1(3293.98,2889.5)
  Bottom Layer w4: v1(3235,3350) 3235,3323.66 3227.04,3315.7 3227.04,3236.32 3215.36,3224.64 3215.36,3101.02 3215.13,3100.79 3215.13,3053.78 3215.36,3053.55 3215.36,2991.36 3214.44,2990.44 3214.44,2977.3 3236.52,2955.22 3250.12,2955.22 3277.77,2927.56 3277.77,2905.71 v1(3293.98,2889.5)
SPI_CS: R27.1 U1.A7 U2.1 | length 1966.8
  Top Layer w4: v1(2810,3765) 2760,3765 2577.53,3582.53 2577.53,3398.11 2660.64,3315 2847.83,3315 2868.97,3336.14 2934.25,3336.14 2973.93,3296.46 2976.07,3296.46 3057.65,3214.88 3057.65,3157.33 U1.A7@3057.76,3157.21
  Bottom Layer w4: v1(2810,3765) 2835,3790 3043.9,3790 3129.36,3875.46 3129.36,4061.81 3196.49,4128.94 U2.1@3226.02,4128.94 3320.28,4128.94 3332.9,4141.57 3346.09,4141.57 3366.34,4161.81 R27.1@3366.34,4175
SPI_DQ0: R14.1 U1.B8 U2.5 | length 3236.7
  Top Layer w4: U1.B8@3089.26,3125.72 3089.55,3125.72 3103.76,3139.93 v1(3104.05,3139.93)
  Bottom Layer w4: R14.1@1900.04,4400 2295,4400 2755,3940 2910,3940 2929.16,3959.16 2929.16,3968.06 U2.5@2940.05,3978.94 ; U2.5@2958.3,3978.94 U2.5@2940.05,3978.94 ; v1(3104.05,3139.93) 3100.8,3139.93 3001.68,3239.06 2947.26,3239.06 2860.25,3326.06 2718.1,3326.06 2635.4,3408.76 2635.4,3547.19 2669.87,3581.67 2669.87,3625.52 2750.54,3706.19 2750.54,3777.94 2772.6,3800 3030.2,3800 3100,3869.8 3100,4033.7 3028.7,4105 2901.81,4105 2883.41,4086.59 2883.41,4013.88 2918.34,3978.94 U2.5@2940.05,3978.94
SPI_DQ1: R7.1 U1.D6 U2.2 | length 2056.4
  Top Layer w4: v1(2895,3771.23) 2894.06,3771.23 2870.28,3795 2749.01,3795 2555.86,3601.85 2555.86,3389.12 2654.99,3290 2868.16,3290 2893.16,3315 2925.87,3315 2979.77,3261.1 2979.77,3119.5 2989.3,3109.97 3000.24,3109.97 3010.52,3099.69 3010.52,3078.47 U1.D6@3026.27,3062.72
  Bottom Layer w4: v1(2895,3771.23) 3045.36,3771.23 3145,3870.87 3145,4006.85 3197.32,4059.16 3197.32,4068.06 3208.2,4078.94 U2.2@3226.02,4078.94 3355.98,4078.94 R7.1@3369.92,4065
SPI_DQ2: R8.1 U1.B7 U2.3 | length 1975.1
  Top Layer w4: v1(2873.66,3745) 2837.8,3780.86 2758.54,3780.86 2569.53,3591.85 2569.53,3394.8 2659.32,3305 2862.61,3305 2885.74,3328.14 2930.94,3328.14 3042.02,3217.06 3042.02,3141.46 U1.B7@3057.76,3125.72
  Bottom Layer w4: v1(2873.66,3745) 2918.75,3745 2934.79,3761.04 3054.31,3761.04 3165,3871.73 3165,3997.46 3196.49,4028.94 U2.3@3226.02,4028.94 3312.2,4028.94 3370,3971.14 R8.1@3370,3965.04
SPI_DQ3: R22.1 U1.A6 U2.7 | length 4041.8
  Top Layer w4: v1(3000,3205) 3002.43,3205 3026.27,3181.17 U1.A6@3026.27,3157.21
  Bottom Layer w4: R22.1@1905.04,4100 1884.2,4120.83 1884.2,4140.8 1863.47,4161.53 1863.47,4246.83 1870,4253.36 1870,4316.34 1892.01,4338.34 2321.66,4338.34 2525,4135 2745,3915 3000,3915 3034.8,3949.8 3034.8,3984.53 3014.33,4005 2917.53,4005 2901.66,4020.88 2901.66,4052 2928.6,4078.94 U2.7@2958.3,4078.94 2987.83,4078.94 3068.66,3998.11 3068.66,3859.47 3024.19,3815 2674.58,3815 2664.58,3825 2383.66,3825 2363,3804.34 2363,3643.31 2524.14,3482.18 2524.14,3415.86 2645.16,3294.84 2790.74,3294.84 2820,3265.58 2820,3200 2843.74,3176.26 2863.38,3176.26 2875.28,3188.16 2982.31,3188.16 2999.15,3205 v1(3000,3205)
SPI_SCK: R13.2 R19.1 U2.6 | length 1559.2
  Bottom Layer w4: R19.1@1905.04,4280 1905.04,4273.9 1926.14,4295 2288.4,4295 2683.4,3900 2926.64,3900 2939.7,3886.94 R13.2@2954.21,3886.94 ; U2.6@2958.3,4028.94 3013.4,4028.94 3055.79,3986.55 3055.79,3877.09 3034.8,3856.1 2975,3856.1 R13.2@2975,3850 ; R13.2@2975.04,3860 R13.2@2975.04,3866.1
SW0: PMOD4+.5 R71.2 U1.R19 | length 5148.9
  Top Layer w4: U1.R19@3435.72,2716.27 3451.98,2700 3631.06,2700 3777.98,2846.93 4123.07,2846.93 4220,2750 v1(4220,2690)
  Bottom Layer w4: PMOD4+.5@3700,1900 3656.66,1856.66 3656.66,1433.34 3751.19,1338.81 4113.34,1338.81 4171.09,1396.57 R71.2@4191.34,1416.81 ; R71.2@4191.34,1430 R71.2@4191.34,1416.81 ; v1(4220,2690) 4320.22,2589.78 4892.1,2589.78 5000,2481.87 5000,1335 4790,1125 4375,1125 4285,1215 4285,1323.15 R71.2@4191.34,1416.81
SW1: PMOD4+.6 R72.2 U1.T20 | length 4560
  Top Layer w4: U1.T20@3467.21,2684.77 3474.44,2692 3634.37,2692 3777.37,2834.99 4112.12,2834.99 4202.75,2744.36 v1(4202.75,2656.38)
  Bottom Layer w4: PMOD4+.6@3700,1800 3700,1799.76 3670,1769.76 3670,1442.63 3755.56,1357.06 3989.5,1357.06 4112.43,1480 4345,1480 4361.57,1463.43 4484.76,1463.43 R72.2@4505,1443.19 ; v1(4202.75,2656.38) 4293.58,2565.55 4879.47,2565.55 4980,2465.02 4980,1505 4955,1480 4604.74,1480 4588.17,1463.43 4525.24,1463.43 R72.2@4505,1443.19 ; R72.2@4505,1430 R72.2@4505,1443.19
SYSCLK: R55.1 U1.U19 | length 444
  Top Layer w5: U1.U19@3435.72,2653.28 3451.22,2637.77 3703.44,2637.77 3795.98,2730.31 R55.1@3835,2730.31
SYSCLK2: R59.1 U1.K17 | length 515.5
  Top Layer w4: v1(3388.47,2889.27) 3388.36,2889.27 3372.84,2873.75 U1.K17@3372.72,2873.75 3389.22,2857.26 3662.26,2857.26 v1(3750,2945) v1@3747.74,2947.26
  Bottom Layer w4: v1(3750,2945) R59.1@3819.69,2945
TCK: R24.1 U1.F9 | length 2508.5
  Top Layer w4: v1(3105.01,3015.48) U1.F9@3120.76,2999.73
  Bottom Layer w4: R24.1@2183.66,1695 2183.66,1708.19 2130,1761.85 2130,1837.36 2150.56,1857.92 2472.92,1857.92 2530.64,1915.64 2530.64,2243.11 2560,2272.47 2560,2575 2662,2677 2662,2905.71 2653.57,2914.14 2572.43,2914.14 2549.42,2937.15 2549.42,3005.24 2596.38,3052.2 2679.79,3052.2 2752.41,3124.83 2890.17,3124.83 2952.39,3062.61 3057.88,3062.61 v1(3105.01,3015.48)
TCK_O: J_FT_AD.1 JTAG_STD.5 R17.1 R24.2 | length 1234.5
  Bottom Layer w4: J_FT_AD.1@1545,1070 1545,1085.75 1659.45,1200.2 1776.86,1200.2 1881.53,1304.87 1881.53,1356.53 JTAG_STD.5@1945,1420 2015,1490 2015,1643.66 2032.9,1661.57 2046.09,1661.57 R24.2@2066.34,1681.81 ; R24.2@2066.34,1695 R24.2@2066.34,1681.81 ; R17.1@2301.58,1728.43 2281.34,1708.19 R17.1@2281.34,1695 2281.34,1681.81 2224.53,1625 2123.15,1625 R24.2@2066.34,1681.81
TDI: R26.1 U1.G6 | length 2444.1
  Top Layer w4: v1(2883.96,2889.5) 2905.77,2889.51 2916.03,2899.77 2916.03,2910.72 2925.56,2920.25 2968.01,2920.25 2979.4,2931.64 2979.4,2942.58 2989.01,2952.2 3010.52,2952.2 3026.27,2967.95 U1.G6@3026.27,2968.24
  Bottom Layer w4: R26.1@2183.66,1930 2133.43,1930 2108.43,1905 2108.43,1671.57 2139.41,1640.59 2209.02,1640.59 2230,1661.57 2230,1741.57 2265,1776.57 2509.83,1776.57 2590,1856.73 2590,2216.31 2610,2236.31 2610,2564.86 2687.35,2642.21 2687.35,2909.08 2698.17,2919.89 2831.72,2919.89 2862.12,2889.5 v1(2883.96,2889.5)
TDI_O: J_FT_AD.2 JTAG_STD.9 R16.1 R26.2 | length 1352.2
  Top Layer w4: J_FT_AD.2@1645,1070 1645,1268.34 1694.62,1317.96 1694.62,1369.62 JTAG_STD.9@1745,1420
  Bottom Layer w4: JTAG_STD.9@1745,1420 1789.59,1420 1960,1590.41 1960,1823.66 R26.2@2066.34,1930 2066.34,1943.19 2086.58,1963.43 2121.74,1963.43 2150,1991.69 2213.31,1991.69 2241.57,1963.43 2271.09,1963.43 2291.34,1943.19 R16.1@2291.34,1930
TDO: R25.1 U1.F6 | length 2088.5
  Top Layer w4: v1(3012.48,3012.95) 3012.76,3012.95 3025.98,2999.73 U1.F6@3026.27,2999.73
  Bottom Layer w4: R25.1@2183.66,1810 2486.73,1810 2560,1883.27 2560,2227.32 2585,2252.32 2585,2572.34 2674.68,2662.02 2674.68,2919.89 2660.52,2934.06 2640.57,2934.06 2630,2944.63 2630,2995.37 2663.21,3028.58 2683.54,3028.58 2768.15,3113.19 2875.32,3113.19 2941.53,3046.98 2978.45,3046.98 v1(3012.48,3012.95)
TDO_O: J_FT_AD.3 JTAG_STD.7 R25.2 | length 886.7
  Top Layer w4: J_FT_AD.3@1745,1070 1745,1268.34 1794.62,1317.96 1794.62,1369.62 JTAG_STD.7@1845,1420
  Bottom Layer w4: JTAG_STD.7@1845,1420 1855,1420 1985,1550 1985,1728.66 2032.9,1776.57 2046.09,1776.57 2066.34,1796.81 R25.2@2066.34,1810
TMS: R21.1 U1.J6 | length 2041.3
  Top Layer w4: v1(3010.52,2920.99) U1.J6@3026.27,2905.24
  Bottom Layer w4: R21.1@2183.66,1570 2183.66,1583.19 2203.91,1603.43 2247.19,1603.43 2283.75,1640 2470,1640 2610,1780 2610,2193.56 2635,2218.56 2635,2551.03 2698.29,2614.32 2698.29,2893.6 2707.58,2902.89 2837.41,2902.89 2866.67,2873.63 2911.8,2873.63 2958.79,2920.62 3010.15,2920.62 v1(3010.52,2920.99)
TMS_O: J_FT_AD.4 JTAG_STD.3 R18.1 R21.2 | length 912
  Top Layer w4: J_FT_AD.4@1845,1070 1845,1168.34 1981.53,1304.87 1981.53,1356.53 JTAG_STD.3@2045,1420
  Bottom Layer w4: JTAG_STD.3@2045,1420 2046.09,1421.09 2046.09,1549.76 R21.2@2066.34,1570 2066.34,1556.81 2086.58,1536.57 2108.43,1536.57 2133,1512 2236.53,1512 2281.34,1556.81 R18.1@2281.34,1570 2281.34,1583.19 R18.1@2301.58,1603.43
UART_RX: R43.1 R68.2 U1.P14 | length 2351.4
  Top Layer w4: v1(2500,2190) v1(2710,2190) ; U1.P14@3278.24,2747.76 3278.24,2747.53 3293.98,2731.79 v1(3293.98,2731.56)
  Bottom Layer w4: R43.1@1645,1908.15 1659.76,1922.91 1851.22,1922.91 1881.81,1892.32 R68.2@1895,1892.32 1898.91,1896.23 1898.91,2137.4 1951.51,2190 v1(2500,2190) ; v1(2710,2190) 2833.74,2190 2886.63,2242.89 2886.63,2481.7 2917.84,2512.91 3043.78,2512.91 3120.87,2590.01 3120.87,2626.59 3152.37,2658.09 3152.37,2676.36 3177.12,2701.12 3263.55,2701.12 v1(3293.98,2731.56)
UART_TX: R42.1 R65.2 U1.P15 | length 2620.8
  Top Layer w4: v1(2500,2220) v1(2710,2220) ; U1.P15@3309.73,2747.76 v1(3325.48,2732.02)
  Bottom Layer w4: R65.2@1790,1893.66 1774.65,1878.31 1613.16,1878.31 1604.16,1887.32 1565.83,1887.32 R42.1@1545,1908.15 1565.83,1928.99 1604.16,1928.99 1618.36,1943.19 1735.05,1943.19 1797.16,2005.29 1797.16,2086.79 1930.37,2220 v1(2500,2220) ; v1(2710,2220) 2826.34,2220 2875.59,2269.25 2875.59,2488.87 2909.93,2523.21 3028.67,2523.21 3060,2554.54 3060,2583.46 3120.64,2644.1 3120.64,2655.95 3174.69,2710 3250,2710 3287.41,2747.42 3310.08,2747.42 v1(3325.48,2732.02)
USB5V: C60.2 C85.1 D4.2 R45.2 R46.2 U12.5 USB_UART.1 | length 562.1
  Top Layer w20: R45.2@1714.96,1755 1705,1745.04 1705,1553.11 1738.11,1520 U12.5@1759.77,1520 1849.09,1520 1861.34,1532.24 C85.1@1861.34,1543.23
  Bottom Layer w20: v1(1475,1810) D4.2@1525.86,1810 v1(1575,1810) ; v1(1654.45,1740) C60.2@1654.45,1773.66 v1(1654.45,1810)
USBD2_N: "USB PS2.B2" U1.H20 | length 1540.9
  Top Layer w4: U1.H20@3467.21,2936.74 3489.62,2936.74 3499.03,2927.33 3499.03,2927.06 3501.37,2924.71 3604.71,2924.71 4399.46,3719.46 4403,3723 4511.36,3723 4545,3756.64 4545,3795 4533.37,3806.63 4516.05,3806.63 4512.38,3802.97 4512.38,3788.96 4501.85,3778.42 4501.85,3771.26
USBD2_P: "USB PS2.B3" U1.J20 | length 1567.4
  Top Layer w4: U1.J20@3467.21,2905.24 3467.56,2904.9 3489.74,2904.9 3499.03,2914.19 3499.03,2914.37 3501.37,2916.71 3608.03,2916.71 4406.31,3715 4514.68,3715 4553,3753.32 4553,3798.31 4536.68,3814.63 4516.05,3814.63 4512.38,3818.3 4512.38,3832.3 4501.85,3842.84 4501.85,3850
USBD_N: "USB PS2.A2" U13.11 | length 636.5
  Top Layer w4: U13.11@4145,3845.87 4126.34,3845.87 4124,3848.21 4124,3883.52 4162.48,3922 4465.3,3922 4500.76,3886.53 4516.98,3886.53 4550.04,3853.48 4550.04,3843.4 4586.81,3806.63 4593.44,3806.63 4595.78,3804.29 4595.78,3780.48 4605,3771.26
USBD_P: "USB PS2.A3" U13.10 | length 649.8
  Top Layer w4: U13.10@4095,3845.87 4113.66,3845.87 4116,3848.21 4116,3886.83 4159.17,3930 4468.61,3930 4504.08,3894.53 4520.3,3894.53 4558.04,3856.79 4558.04,3846.72 4590.13,3814.63 4593.44,3814.63 4595.78,3816.97 4595.78,3840.78 4605,3850
USBnINT: U1.H18 U13.1 | length 1421.5
  Top Layer w4: U1.H18@3404.22,2936.74 v1(3419.97,2952.49) ; U13.1@3645,3845.87 3645,3813.7 3687.44,3771.26 v1(3760,3771.26)
  Bottom Layer w4: v1(3419.97,2952.49) 3435.83,2968.35 3646.14,2968.35 3772.63,3094.83 3772.63,3165.47 3902.49,3295.33 3902.49,3686.17 3817.4,3771.26 v1(3760,3771.26)
USBRXD: U1.J19 U13.6 | length 1481.6
  Top Layer w4: U1.J19@3435.72,2905.24 3451.23,2920.76 v1(3483.17,2920.76) ; U13.6@3895,3845.87 v1(3895,3905)
  Bottom Layer w4: v1(3483.17,2920.76) 3649.87,2920.76 3820.32,3091.21 3820.32,3150.28 3970,3299.96 3970,3899.63 3948.77,3920.86 3910.86,3920.86 v1(3895,3905)
USBTXD: U1.J18 U13.5 | length 1493.1
  Top Layer w4: U1.J18@3404.22,2905.24 3404.34,2905.24 3419.85,2920.76 v1(3419.97,2920.76) ; U13.5@3845,3845.87 v1(3845,3904.59)
  Bottom Layer w4: v1(3419.97,2920.76) 3427.83,2928.62 3461.35,2928.62 3470.99,2938.27 3650.94,2938.27 3805,3092.32 3805,3156.81 3950,3301.81 3950,3705 3876.48,3778.52 3876.48,3909.63 3866.11,3920 3850,3920 3845,3915 v1(3845,3904.59)
USBUART_N: U12.2 USB_UART.3 | length 197.4
  Top Layer w12: USB_UART.3@1379.33,1662.76 1400.03,1662.76 1404.82,1667.55 1453.28,1667.55 1483.83,1637 1518.58,1637 1535.58,1620 U12.2@1555.04,1620
USBUART_P: U12.1 USB_UART.2 | length 197.4
  Top Layer w12: USB_UART.2@1379.33,1688.35 1400.03,1688.35 1404.82,1683.55 1459.91,1683.55 1490.46,1653 1518.58,1653 1535.58,1670 U12.1@1555.04,1670